# Allegro board zp-dic_pda_8ch_board_v001_166_20241018_1809.brd (continued)
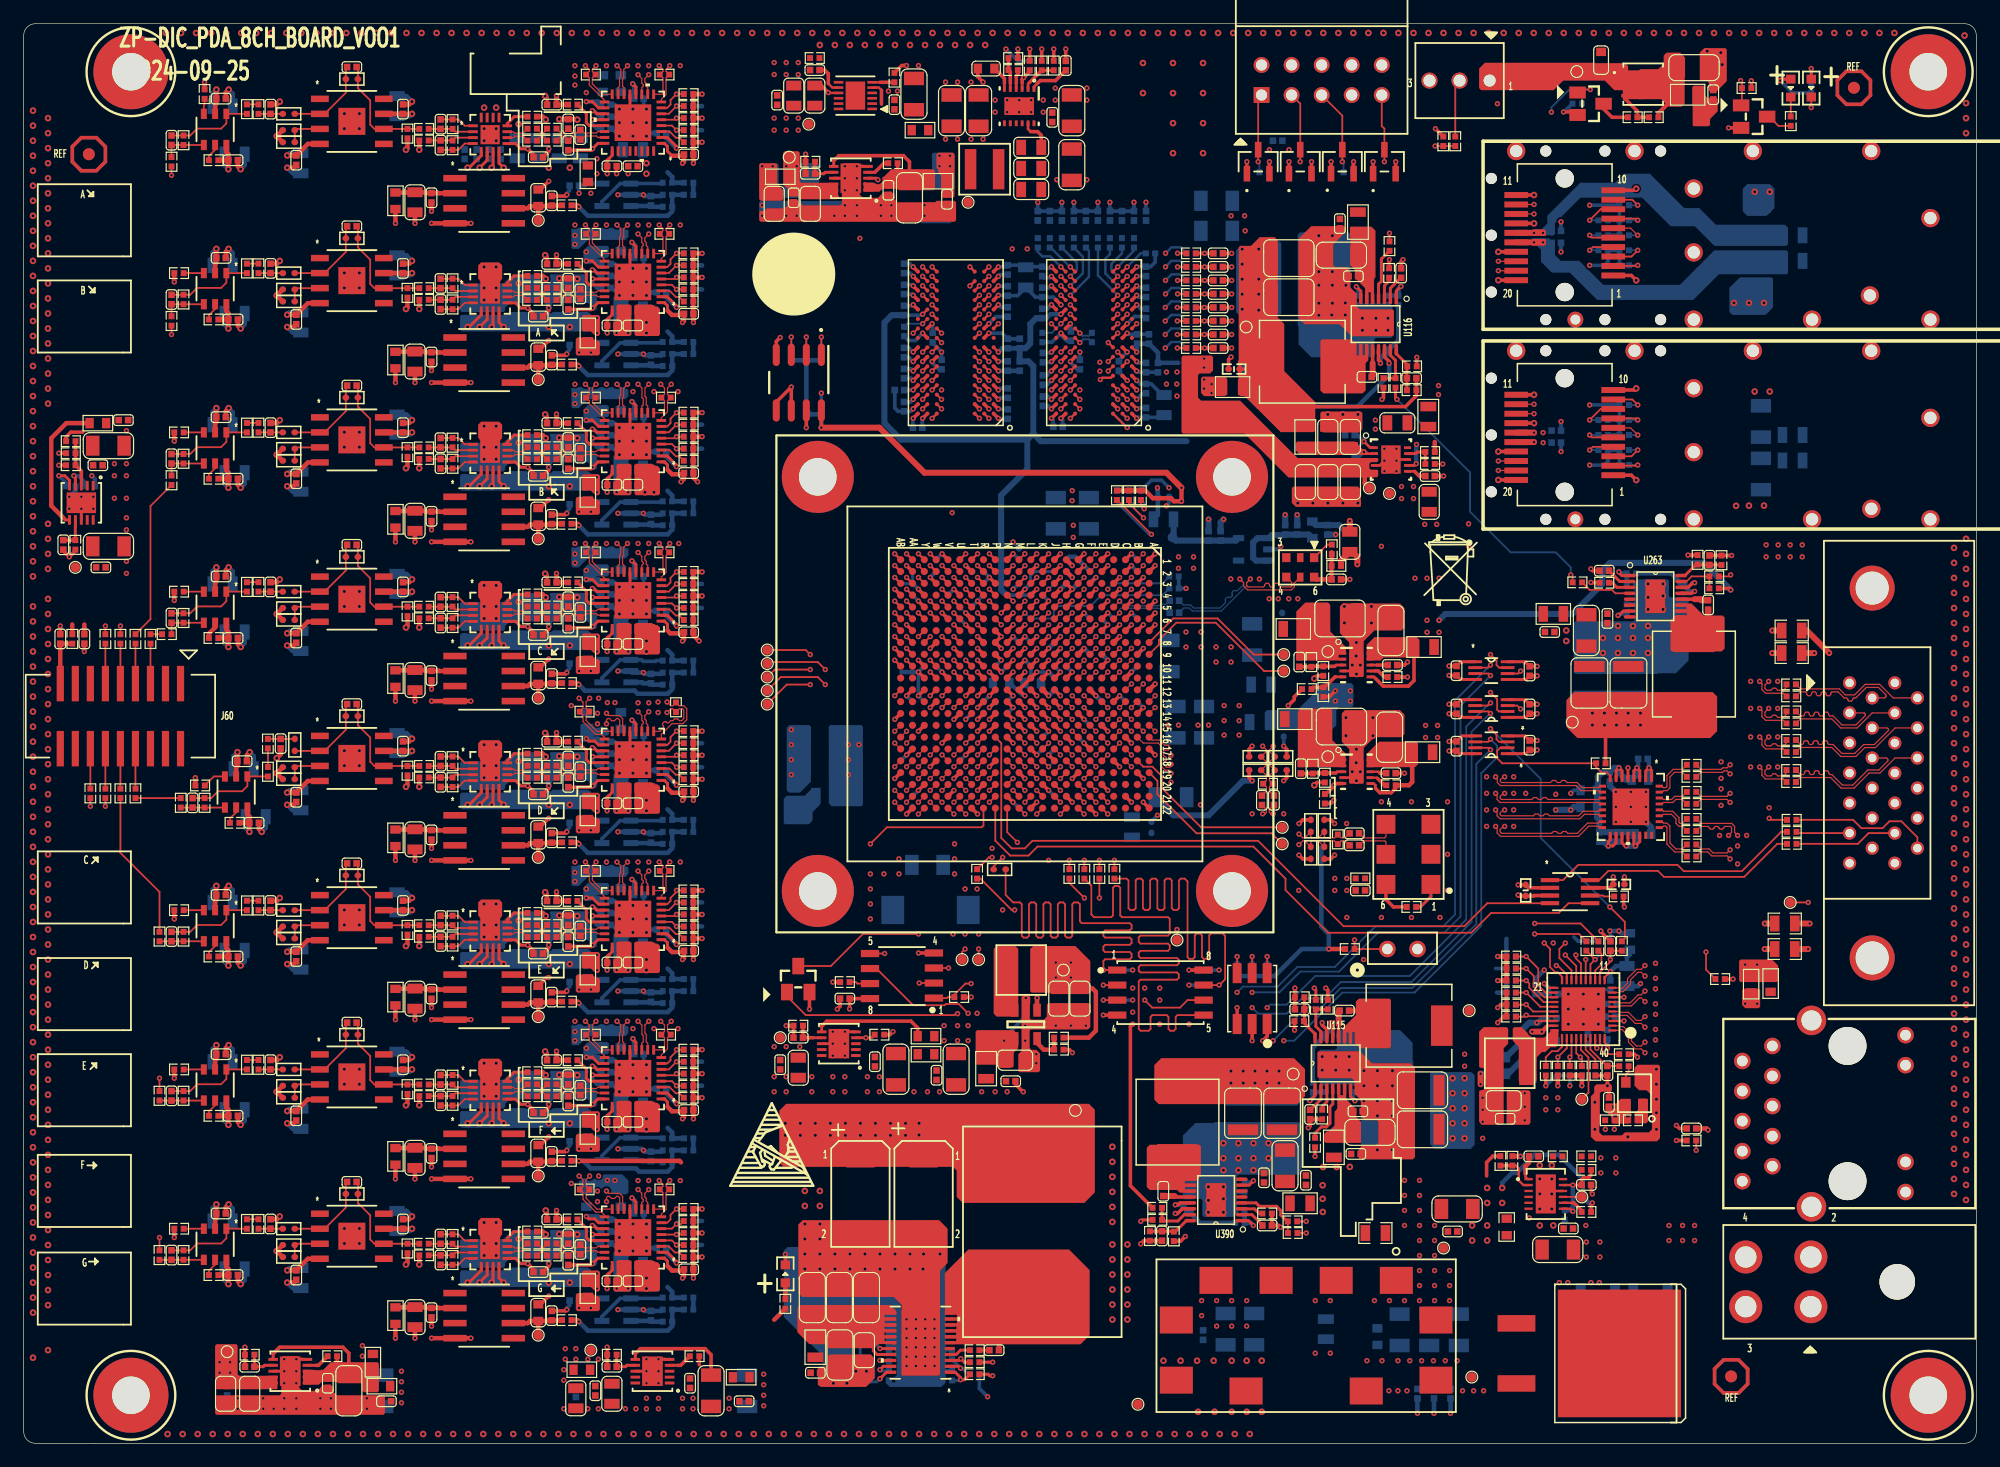
[diagram p0: board, top side]
## Routing (per net, layer and track width the routed paths; a pad name or vN(x,y) marks a point on that pad's centre or on a via; arc(x,y) is an arc through that point) (continued)
N23170831: length 1.9
  TOP w0.152: R2121.1 110.14,75.97 U270.1
N23196826: length 1.8
  TOP w0.152: U273.7 70.45,38.86 70.32,38.99 R2153.2
N23467611: length 2.3
  TOP w0.152: U366.3 54.58,70.5 55.1,69.98 55.4,69.98 R3014.2
N23467797: length 2
  BOTTOM w0.381: R3031.2 R3029.1 54.8,66.66 54.4,67.06
  vias: v2(52.62,67.82) v2(52.62,66.93)
N23473539: length 3.5
  TOP w0.254: R3026.1 47.54,72.03 47.54,71.25 47.8,71 U366.21
N23486167: length 5.1
  TOP w0.381: L299.2 32.37,65.34 32.39,65.37 C2974.1 33.87,65.37 33.94,65.3 C2971.2 35.08,65.3 35.1,65.28 U275.2
N23486224: length 5.4
  TOP w0.381: TP147.1 C2972.1 ; C2972.1 42.78,64.2 42.59,64.01 U275.6 ; C2972.1 44.18,64.2 44.22,64.24 C2973.2 45.11,64.24 45.13,64.26 R2184.1
N23486553: length 5.1
  TOP w0.381: L300.2 32.37,51.88 32.39,51.9 C2975.1 33.87,51.9 33.94,51.84 C2976.2 35.08,51.84 35.1,51.82 U276.2
N23486610: length 5.4
  TOP w0.381: U276.6 42.59,50.55 42.78,50.73 C2977.1 ; C2977.1 44.18,50.73 44.22,50.78 C2978.2 45.11,50.78 45.13,50.8 R2185.1 ; C2977.1 TP148.1
N23486896: length 5.1
  TOP w0.381: U277.2 35.1,78.74 35.08,78.76 C2980.2 33.94,78.76 33.87,78.83 C2979.1 32.39,78.83 32.37,78.81 L301.2
N23486953: length 5.4
  TOP w0.381: R2186.1 45.13,77.72 45.11,77.7 C2982.2 44.22,77.7 44.18,77.66 C2981.1 ; U277.6 42.59,77.47 42.78,77.66 C2981.1 ; C2981.1 TP149.1
N23487251: length 5.1
  TOP w0.381: L302.2 32.37,38.42 32.39,38.44 C2983.1 33.87,38.44 33.94,38.37 C2984.2 35.08,38.37 35.1,38.35 U278.2
N23487308: length 5.4
  TOP w0.381: R2187.1 45.13,37.34 45.11,37.32 C2986.2 44.22,37.32 44.18,37.27 C2985.1 ; C2985.1 42.78,37.27 42.59,37.08 U278.6 ; C2985.1 TP150.1
N23492813: length 5.1
  TOP w0.381: U280.2 35.1,92.2 35.08,92.22 C2990.2 33.94,92.22 33.87,92.29 C2989.1 32.39,92.29 32.37,92.27 L303.2
N23492870: length 5.4
  TOP w0.381: C2991.1 44.18,91.12 44.22,91.17 C2992.2 45.11,91.17 45.13,91.19 R2196.1 ; C2991.1 42.78,91.12 42.59,90.93 U280.6 ; C2991.1 TP151.1
N23492969: length 5.1
  TOP w0.381: L304.2 32.37,24.96 32.39,24.98 C2993.1 33.87,24.98 33.94,24.91 C2994.2 35.08,24.91 35.1,24.89 U281.2
N23493026: length 5.4
  TOP w0.381: U281.6 42.59,23.62 42.78,23.81 C2995.1 ; C2995.1 TP152.1 ; C2995.1 44.18,23.81 44.22,23.86 C2996.2 45.11,23.86 45.13,23.88 R2197.1
N23493125: length 5.1
  TOP w0.381: U282.2 35.1,105.66 35.08,105.68 C2998.2 33.94,105.68 33.87,105.75 C2997.1 32.39,105.75 32.37,105.73 L305.2
N23493182: length 5.4
  TOP w0.381: U282.6 42.59,104.39 42.78,104.58 C2999.1 ; C2999.1 44.18,104.58 44.22,104.63 C3000.2 45.11,104.63 45.13,104.65 R2198.1 ; C2999.1 TP153.1
N23493281: length 5.1
  TOP w0.381: L306.2 32.37,11.5 32.39,11.52 C3001.1 33.87,11.52 33.94,11.45 C3002.2 35.08,11.45 35.1,11.43 U283.2
N23493338: length 5.4
  TOP w0.381: C3003.1 44.18,10.35 44.22,10.39 C3004.2 45.11,10.39 45.13,10.41 R2199.1 ; C3003.1 TP154.1 ; C3003.1 42.78,10.35 42.59,10.16 U283.6
N23494365: length 2.8
  BOTTOM w0.381: R3028.1 53.11,64.14 C3285.2 52.34,64.24 52.26,64.33 U368.3
N23494373: length 6.2
  BOTTOM w0.305: R3029.2 53.47,66.17 53.4,66.1 52.35,66.1 52.22,66.23 U368.1 50.4,66.23 48.87,64.69 U368.4
N23499075: length 1
  BOTTOM w0.381: R3032.2 R3031.1
N23503581: length 7.8
  TOP w0.254: v1(48.05,58.8) 48.18,58.8 48.45,58.54 U369.19 ; 54.4,55.37 54.4,55.78 54.15,56.03 U369.1 ; v1(48.07,58.05) 48.08,58.03 U369.20
  TOP w0.381: 54.4,55.37 54.78,54.99 55.69,54.99 C3286.2 55.79,54.48 v1(55.67,54.36)
  BOTTOM w0.305: v1(48.07,58.05) 48.07,57.65 48.43,57.28 C3288.2 ; C3287.2 48.67,58.29 48.16,58.8 v1(48.05,58.8)
  vias: v1(48.43,54.74) v1(48.43,53.47)
N23503589: length 8.6
  TOP w0.254: 49.45,54.74 49.73,55.02 U369.25 ; v1(55.16,55.63) 55.16,55.75 54.38,56.54 U369.2 ; U369.18 48.58,59.03 48.26,59.36 47.75,59.36 v1(47.54,59.56)
  TOP w0.305: 49.45,54.74 49.3,54.59 C3289.2 v1(49.3,53.47)
  BOTTOM w0.381: v1(55.16,55.63) 54.3,56.5 C3290.2 ; C3291.2 48.54,59.56 v1(47.54,59.56)
N23503625: length 2.3
  TOP w0.152: U369.3 54.58,57.03 55.1,56.52 55.4,56.52 R3035.2
N23503626: length 2
  BOTTOM w0.381: 54.4,53.59 54.8,53.19 R3050.1 R3052.2
  vias: v2(52.62,54.36) v2(52.62,53.47)
N23503698: length 3.5
  TOP w0.254: U369.21 47.8,57.54 47.54,57.79 47.54,58.57 R3047.1
N23503724: length 2.8
  BOTTOM w0.381: U371.3 52.96,50.74 C3299.2 53.11,50.67 R3049.1
N23503727: length 6.2
  BOTTOM w0.305: U371.4 48.87,51.1 50.4,52.64 U371.1 53.94,52.64 R3050.2
N23503746: length 1
  BOTTOM w0.381: R3053.2 R3052.1
N23504848: length 7.9
  TOP w0.254: U372.1 54.15,82.96 54.4,82.7 54.4,82.3 ; v1(48.05,85.73) 48.18,85.73 48.45,85.46 U372.19 ; v1(48.07,84.97) 48.08,84.96 U372.20
  TOP w0.381: v1(55.55,81.28) 55.79,81.53 C3302.2 55.69,81.92 54.78,81.92 54.4,82.3
  BOTTOM w0.305: C3301.2 48.67,85.22 48.16,85.73 v1(48.05,85.73) ; v1(48.07,84.97) 48.07,84.57 48.43,84.2 C3300.2
  vias: v1(48.43,81.66) v1(48.43,80.39)
N23504856: length 8.6
  TOP w0.254: v1(55.16,82.55) 55.16,82.68 54.38,83.46 U372.2 ; 49.45,81.66 49.73,81.94 U372.25 ; U372.18 48.58,85.96 48.05,86.49 v1(47.54,86.49)
  TOP w0.305: 49.45,81.66 49.3,81.51 C3305.2 v1(49.3,80.39)
  BOTTOM w0.381: v1(47.54,86.49) 48.54,86.49 C3304.2 ; v1(55.16,82.55) 54.3,83.42 C3303.2
  vias: v1(47.54,87.25)
N23504892: length 2.3
  TOP w0.152: U372.3 54.58,83.96 55.1,83.44 55.4,83.44 R3056.2
N23504893: length 2
  BOTTOM w0.381: 54.4,80.52 54.8,80.12 R3071.1 R3073.2
  vias: v2(52.5,80.39) v2(53.26,80.39)
N23504965: length 3.5
  TOP w0.254: R3068.1 47.54,85.49 47.54,84.71 47.8,84.46 U372.21
N23504991: length 2.8
  BOTTOM w0.381: R3070.1 53.11,77.6 C3313.2 52.96,77.66 U374.3
N23504994: length 6.2
  BOTTOM w0.305: R3071.2 53.94,79.56 U374.1 50.4,79.56 48.87,78.03 U374.4
N23505013: length 1
  BOTTOM w0.381: R3074.2 R3073.1
N23506117: length 7.8
  TOP w0.254: U384.1 54.15,109.88 54.4,109.63 54.4,109.22 54.78,108.84 ; U384.20 48.08,111.88 v1(48.07,111.9) ; v1(48.05,112.65) 48.18,112.65 48.45,112.38 U384.19
  TOP w0.381: v1(55.67,108.2) 55.79,108.32 C3356.2 55.69,108.84 54.78,108.84
  BOTTOM w0.305: v1(48.07,111.9) 48.07,111.49 48.43,111.13 C3357.2 ; C3358.2 48.67,112.14 48.16,112.65 v1(48.05,112.65)
  vias: v1(48.43,108.59) v1(48.43,107.32)
N23506125: length 8.3
  TOP w0.254: 49.45,108.59 49.73,108.87 U384.25 ; v1(47.54,113.41) 48.05,113.41 48.58,112.88 U384.18 ; U384.2 54.38,110.38 55.16,109.6 v1(55.16,109.47)
  TOP w0.305: 49.45,108.59 49.3,108.44 C3360.2 v1(49.3,107.32)
  BOTTOM w0.381: v1(55.16,109.47) 54.3,110.34 C3361.2 ; 48,113.41 48.54,113.41 C3359.2 ; v1(47.54,113.41) 47.76,113.41
  vias: v1(47.54,114.17)
N23506161: length 2.3
  TOP w0.152: U384.3 54.58,110.88 55.1,110.36 55.4,110.36 R3140.2
N23506162: length 2
  BOTTOM w0.381: R3157.2 R3155.1 54.8,107.04 54.4,107.44
  vias: v2(52.62,108.2) v2(52.62,107.32)
N23506234: length 3.5
  TOP w0.254: U384.21 47.8,111.38 47.54,111.64 47.54,112.41 R3152.1
N23506260: length 2.8
  BOTTOM w0.381: U386.3 52.96,104.59 C3369.2 53.11,104.52 R3154.1
N23506263: length 6.2
  BOTTOM w0.305: U386.4 48.87,104.95 50.4,106.49 U386.1 53.94,106.49 R3155.2
N23506282: length 1
  BOTTOM w0.381: R3158.2 R3157.1
N23507395: length 7.8
  TOP w0.254: U375.1 54.15,42.57 54.4,42.32 54.4,41.91 ; U375.20 48.08,44.57 v1(48.07,44.59) ; U375.19 48.45,45.07 48.18,45.34 v1(48.05,45.34)
  TOP w0.381: v1(55.67,40.89) 55.79,41.01 C3315.2 55.69,41.53 54.78,41.53 54.4,41.91
  BOTTOM w0.305: C3314.2 48.67,44.83 48.16,45.34 v1(48.05,45.34) ; C3316.2 48.43,43.82 48.07,44.18 v1(48.07,44.59)
  vias: v1(48.43,41.28) v1(48.43,40.01)
N23507403: length 8.6
  TOP w0.254: U375.18 48.58,45.57 48.05,46.1 v1(47.54,46.1) ; U375.25 49.73,41.56 49.45,41.28 ; v1(55.16,42.16) 55.16,42.29 54.38,43.07 U375.2
  TOP w0.305: 49.45,41.28 49.3,41.13 C3317.2 v1(49.3,40.01)
  BOTTOM w0.381: v1(55.16,42.16) 54.3,43.03 C3319.2 ; v1(47.54,46.1) 48.54,46.1 C3318.2
  vias: v1(47.54,46.86)
N23507439: length 2.3
  TOP w0.152: U375.3 54.58,43.57 55.1,43.05 55.4,43.05 R3077.2
N23507440: length 2
  BOTTOM w0.381: R3094.2 R3092.1 54.8,39.73 54.4,40.13
  vias: v2(52.62,40.89) v2(52.62,40.01)
N23507512: length 3.5
  TOP w0.254: R3089.1 47.54,45.1 47.54,44.33 47.8,44.07 U375.21
N23507538: length 2.8
  BOTTOM w0.381: U377.3 52.96,37.28 C3327.2 53.11,37.21 R3091.1
N23507541: length 6.2
  BOTTOM w0.305: R3092.2 53.94,39.18 U377.1 50.4,39.18 48.87,37.64 U377.4
N23507560: length 1
  BOTTOM w0.381: R3095.2 R3094.1
N23508661: length 7.8
  TOP w0.254: U378.1 54.15,96.42 54.4,96.17 54.4,95.76 ; U378.19 48.45,98.92 48.18,99.19 v1(48.05,99.19) ; U378.20 48.08,98.42 v1(48.07,98.43)
  TOP w0.381: 54.4,95.76 54.78,95.38 55.42,95.38 55.52,95.48 C3329.2 55.79,94.86 v1(55.67,94.74)
  BOTTOM w0.305: v1(48.05,99.19) 48.16,99.19 48.67,98.68 C3328.2 ; C3330.2 48.43,97.66 48.07,98.03 v1(48.07,98.43)
  vias: v1(48.43,95.12) v1(48.43,93.85)
N23508669: length 8.6
  TOP w0.254: v1(55.16,96.01) 55.16,96.14 54.38,96.92 U378.2 ; U378.25 49.73,95.4 49.45,95.12 ; U378.18 48.58,99.42 48.05,99.95 v1(47.54,99.95)
  TOP w0.305: 49.45,95.12 49.3,94.98 C3332.2 v1(49.3,93.85)
  BOTTOM w0.381: C3331.2 54.3,96.88 v1(55.16,96.01) ; C3333.2 48.54,99.95 v1(47.54,99.95)
  vias: v1(47.54,100.71)
N23508705: length 2.3
  TOP w0.152: R3098.2 55.4,96.9 55.1,96.9 54.58,97.42 U378.3
N23508706: length 2
  BOTTOM w0.381: R3115.2 R3113.1 54.8,93.58 54.4,93.98
  vias: v2(52.62,94.74) v2(52.62,93.85)
N23508778: length 3.5
  TOP w0.254: R3110.1 47.54,98.95 47.54,98.18 47.8,97.92 U378.21
N23508804: length 2.8
  BOTTOM w0.381: U380.3 52.96,91.13 C3341.2 53.11,91.06 R3112.1
N23508807: length 6.2
  BOTTOM w0.305: U380.4 48.87,91.49 50.4,93.02 U380.1 53.94,93.02 R3113.2
N23508826: length 1
  BOTTOM w0.381: R3116.2 R3115.1
N23509928: length 7.8
  TOP w0.254: v1(48.07,31.12) 48.08,31.11 U381.20 ; U381.19 48.45,31.61 48.18,31.88 v1(48.05,31.88) ; U381.1 54.15,29.11 54.4,28.86 54.4,28.45
  TOP w0.381: 54.4,28.45 54.78,28.07 55.69,28.07 C3342.2 55.79,27.55 v1(55.67,27.43)
  BOTTOM w0.305: C3344.2 48.43,30.35 48.07,30.72 v1(48.07,31.12) ; C3343.2 48.67,31.37 48.16,31.88 v1(48.05,31.88)
  vias: v1(48.43,27.81) v1(48.43,26.54)
N23509936: length 8.6
  TOP w0.254: U381.25 49.73,28.09 49.45,27.81 ; U381.2 54.38,29.61 55.16,28.83 v1(55.16,28.7) ; U381.18 48.58,32.11 48.05,32.64 v1(47.54,32.64)
  TOP w0.305: 49.45,27.81 49.3,27.67 C3347.2 v1(49.3,26.54)
  BOTTOM w0.381: v1(55.16,28.7) 54.3,29.57 C3346.2 ; v1(47.54,32.64) 48.54,32.64 C3345.2
  vias: v1(47.54,33.4)
N23509972: length 2.3
  TOP w0.152: U381.3 54.58,30.11 55.1,29.59 55.4,29.59 R3119.2
N23509973: length 2
  BOTTOM w0.381: 54.4,26.67 54.8,26.27 R3134.1 R3136.2
  vias: v2(52.62,27.43) v2(52.62,26.54)
N23510045: length 3.5
  TOP w0.254: U381.21 47.8,30.61 47.54,30.87 47.54,31.64 R3131.1
N23510071: length 2.8
  BOTTOM w0.381: R3133.1 53.89,23.86 C3355.2 52.34,23.86 52.26,23.94 U383.3
N23510074: length 6.2
  BOTTOM w0.305: U383.4 48.87,24.31 50.4,25.84 U383.1 53.94,25.84 R3134.2
N23510093: length 1
  BOTTOM w0.381: R3137.2 R3136.1
N23511196: length 7.8
  TOP w0.254: 54.4,14.99 54.4,15.39 54.15,15.65 U387.1 ; v1(48.07,17.66) 48.08,17.65 U387.20 ; U387.19 48.45,18.15 48.18,18.42 v1(48.05,18.42)
  TOP w0.381: 54.4,14.99 54.78,14.61 55.69,14.61 C3372.2 55.79,14.09 v1(55.67,13.97)
  BOTTOM w0.305: C3370.2 48.43,16.89 48.07,17.26 v1(48.07,17.66) ; C3371.2 48.67,17.91 48.16,18.42 v1(48.05,18.42)
  vias: v1(48.43,14.35) v1(48.43,13.08)
N23511204: length 8.6
  TOP w0.254: U387.2 54.38,16.15 55.16,15.37 v1(55.16,15.24) ; v1(47.54,19.18) 47.75,18.97 48.26,18.97 48.58,18.65 U387.18 ; U387.25 49.73,14.63 49.45,14.35
  TOP w0.305: 49.45,14.35 49.3,14.2 C3373.2 v1(49.3,13.08)
  BOTTOM w0.381: v1(47.54,19.18) 48.54,19.18 C3374.2 ; C3375.2 54.3,16.11 v1(55.16,15.24)
N23511240: length 2.3
  TOP w0.152: R3161.2 55.4,16.13 55.04,16.13 54.52,16.65 U387.3
N23511241: length 2
  BOTTOM w0.381: 54.4,13.21 54.8,12.81 R3176.1 R3178.2
  vias: v2(52.62,13.97) v2(52.62,13.08)
N23511313: length 3.5
  TOP w0.254: U387.21 47.8,17.15 47.54,17.4 47.54,18.18 R3173.1
N23511339: length 2.8
  BOTTOM w0.381: U389.3 52.96,10.35 C3383.2 53.11,10.29 R3175.1
N23511342: length 6.2
  BOTTOM w0.305: R3176.2 53.94,12.25 U389.1 50.4,12.25 48.87,10.72 U389.4
N23511361: length 1
  BOTTOM w0.381: R3179.2 R3178.1
N23531871: length 3.7
  TOP w0.102: U271.31 138.46,55.05 138.58,55.17 138.86,55.17 139.11,55.42 139.11,56.34 139.49,56.72 140.16,56.72 R2214.1
N23531940: length 2.6
  TOP w0.102: R2215.1 140.16,54.69 139.51,54.69 139.25,54.42 138.56,54.42 138.44,54.55 U271.30
N23531952: length 2.6
  TOP w0.102: R2216.1 140.16,54.43 139.62,54.43 139.36,54.17 138.56,54.17 138.44,54.05 U271.29
N23531995: length 3.2
  TOP w0.102: R2217.1 140.16,52.4 139.98,52.4 139.87,52.5 139.87,52.89 139.34,53.42 138.56,53.42 138.44,53.55 U271.28
N23532007: length 3.2
  TOP w0.102: U271.27 138.44,53.05 138.56,53.17 139.23,53.17 139.62,52.78 139.62,52.4 139.87,52.15 140.16,52.15 R2218.1
N23532050: length 4.3
  TOP w0.102: U271.26 138.46,52.55 138.58,52.42 138.86,52.42 139.11,52.17 139.11,50.75 139.62,50.24 140.16,50.24 R2219.1
N23532062: length 4.3
  TOP w0.102: R2220.1 140.16,49.99 139.51,49.99 138.86,50.64 138.86,52.07 138.76,52.17 138.58,52.17 138.45,52.05 U271.25
N23538900: length 15.2
  TOP w0.152: U1.B18 94.6,57.19 95.38,57.19 96.19,56.39 96.19,55.37 99.49,52.07 TP102.1
N23538909: length 14.4
  TOP w0.152: TP103.1 105.46,51.56 99.11,51.56 95.8,54.86 95.8,55.99 U1.A19
N23539881: length 23.9
  TOP w0.152: R834.2 v1(141.33,24.77)
  ART08 w0.102: v1(141.33,24.77) 141.33,23.56 143.81,21.08 148.38,21.08 152.32,25.02 155.24,25.02 J6.11
N23546000: length 1.9
  TOP w0.254: U263.7 135.17,70.35 134.8,69.98 v1(134.72,69.98)
  BOTTOM w0.305: R2253.2 134.84,70.11 v1(134.72,69.98)
N23547065: length 8.1
  BOTTOM w0.508: L288.2 108.59,76.82 C2487.2 C2486.1 106.55,76.77 105.46,76.77 U272.1 104.25,76.51 103.89,76.16 103.89,74.85 104.12,74.62 U272.3
N23561603: length 9.7
  TOP w0.254: U133.6 51.69,7.57
  TOP w0.305: C1339.1 58.09,7.49 57.58,8 52.12,8 51.69,7.57 ; 57.09,6.65 R2083.2
N23561705: length 2
  TOP w0.254: 55.28,6.6 U133.4
  TOP w0.305: 55.28,6.6 55.52,6.6 R2083.1
N23561717: length 2.6
  TOP w0.254: U133.7 50.97,6.6 50.85,6.48 C1340.1 R2139.1
N23565715: length 3.5
  BOTTOM w0.305: R1138.1 84.78,36.22 82.85,34.29 v1(82.85,34.04)
N23565751: length 2
  TOP w0.381: U124.1 v1(85.63,37.65)
  BOTTOM w0.305: v1(85.63,37.65) 85.58,37.59 R1138.2
N23565779: length 3.1
  TOP w0.381: R1129.2 R1130.1 86.2,33.27 85.63,33.84 U124.5
N23580868: length 21.3
  TOP w0.152: v1(80.69,41.78) TP104.1 ; U1.R16 v1(80.6,59.19)
  ART08 w0.102: v1(80.6,59.19) 81,58.8 81.94,58.8 82.31,58.43 82.31,56.3 82.75,55.85 82.75,52.02 81.28,50.55 81.28,42.88 80.69,42.29 v1(80.69,41.78)
N23580877: length 22.4
  TOP w0.152: TP105.1 79.29,41.53 v1(79.55,41.78) ; U1.T16 v1(79.6,59.19)
  ART08 w0.102: v1(79.55,41.78) 80.06,42.29 80.06,47.24 80.87,48.06 80.87,50.6 82.42,52.15 82.42,55.78 82.01,56.19 82.01,58.37 81.79,58.59 80.21,58.59 v1(79.6,59.19)
N23582125: length 2.1
  TOP w0.152: R2598.1 133.52,46.23 133.45,46.31 U154.6
N23591059: length 3.1
  TOP w0.229: U236.2 84.87,114.9 84.99,115.03
  TOP w0.254: R3200.2 R1884.2
  TOP w0.305: 84.99,115.03 R1884.2
N23610435: length 1.5
  TOP w0.381: R2674.2 15.65,68.43 16.18,68.96 U342.5
N23610458: length 1.7
  TOP w0.152: R2676.2 U342.3
N23610499: length 3.7
  TOP w0.152: U342.4 R2692.1 C3093.1 R3207.2
N23610531: length 7.6
  TOP w0.152: C3093.2 R2692.2 14.07,70.16 14.65,70.74 16.68,70.74 17.13,71.18 U342.1 L357.1
N23610539: length 2.1
  TOP w0.152: R2679.2 C3090.1 R3218.1
N23613049: length 9.6
  TOP w0.152: C3088.2 28.24,75.84 R3216.2 28.24,74.17 29.28,73.13 29.28,71.08 29.64,70.72 U343.6 R2688.2 R3256.1
N23614353: length 7.3
  TOP w0.152: R3218.2 U343.2 25.43,71.99 27.22,73.78 R3216.1 27.22,75.84 C3088.1
N23616207: length 3.2
  TOP w0.152: U343.3 23.01,70.72 R3217.2 R3215.1
N23618683: length 2.1
  TOP w0.254: R2677.2 41.45,71.76 40.86,71.17 U344.12
N23618728: length 3.8
  TOP w0.152: U344.2 36.48,70.48 R3258.1 C3515.1 R3256.2
N23618730: length 3
  TOP w0.152: C3515.2 R3258.2 36.73,71.52 37.27,70.98 U344.1
N23618750: length 1.9
  TOP w0.102: R2681.1 42.19,70.36 41.5,70.36 41.38,70.48 U344.11
N23618767: length 3.8
  TOP w0.152: R3257.2 C3514.1 R3259.1 36.48,69.98 U344.3
N23618773: length 1.9
  TOP w0.102: R2690.1 42.19,70.1 41.5,70.1 41.38,69.98 U344.10
N23618807: length 3
  TOP w0.152: C3514.2 R3259.2 36.73,68.94 37.27,69.48 U344.4
N23624222: length 1.2
  TOP w0.102: R2684.1 44.22,70.69 43.89,70.36 43.74,70.36 43.37,70.73 R2681.2
N23624272: length 1.2
  TOP w0.102: R2690.2 43.37,69.74 43.74,70.1 43.84,70.1 R2691.1
N23628828: length 1
  TOP w0.152: R2679.1 L357.2
N23641427: length 1.5
  TOP w0.152: R2696.2 17.43,52.81 17.95,53.34 U346.5
N23641429: length 2
  TOP w0.152: U346.3 16.07,56.37 R2697.2
N23641433: length 3.7
  TOP w0.152: R3208.2 C3116.1 R2713.1 U346.4
N23641439: length 7.6
  TOP w0.152: L358.1 U346.1 18.9,55.56 18.46,55.12 16.43,55.12 15.85,54.54 R2713.2 C3116.2
N23641442: length 2.3
  TOP w0.152: R3220.1 C3516.1 R2700.2
N23641477: length 9.6
  TOP w0.152: R3261.1 R2709.2 U347.6 29.64,57.26 29.28,57.62 29.28,59.67 28.24,60.71 R3219.2 28.24,62.38 C3111.2
N23641479: length 7.3
  TOP w0.152: C3111.1 27.22,62.38 R3219.1 27.22,60.32 25.43,58.53 U347.2 R3220.2
N23641492: length 3.2
  TOP w0.152: R3221.1 R3222.2 23.01,57.26 U347.3
N23641506: length 2.1
  TOP w0.254: R2698.2 41.45,58.29 40.86,57.71 U345.12
N23641518: length 1.9
  TOP w0.102: U345.11 41.38,57.02 41.5,56.9 42.19,56.9 R2704.1
N23641522: length 1.9
  TOP w0.102: U345.10 41.38,56.52 41.5,56.64 42.19,56.64 R2711.1
N23641559: length 1.2
  TOP w0.102: R2705.1 44.22,57.23 43.89,56.9 43.74,56.9 43.37,57.26 R2704.2
N23641562: length 1.2
  TOP w0.102: R2712.1 43.84,56.64 43.74,56.64 43.37,56.27 R2711.2
N23641588: length 1.6
  TOP w0.152: R2700.1 20.63,58.15 20.64,58.15 L358.2
N23642763: length 1.5
  TOP w0.152: U350.5 16.18,82.42 15.65,81.9 R2716.2
N23642765: length 1.7
  TOP w0.152: R2718.2 U350.3
N23642769: length 3.7
  TOP w0.152: U350.4 R2734.1 C3139.1 R3209.2
N23642775: length 7.6
  TOP w0.152: C3139.2 R2734.2 14.07,83.62 14.65,84.2 16.68,84.2 17.13,84.64 U350.1 L359.1
N23642778: length 2.1
  TOP w0.152: R2721.2 C3517.1 R3224.1
N23642813: length 9.6
  TOP w0.152: C3134.2 28.24,89.3 R3223.2 28.24,87.63 29.28,86.59 29.28,84.54 29.64,84.18 U348.6 R2730.2 R3265.1
N23642815: length 7.3
  TOP w0.152: R3224.2 U348.2 25.43,85.45 27.22,87.24 R3223.1 27.22,89.3 C3134.1
N23642828: length 3.2
  TOP w0.152: R3225.1 R3226.2 23.01,84.18 U348.3
N23642842: length 2.1
  TOP w0.254: R2719.2 41.45,85.22 40.86,84.63 U349.12
N23642854: length 1.9
  TOP w0.102: R2725.1 42.19,83.82 41.5,83.82 41.38,83.94 U349.11
N23642858: length 1.9
  TOP w0.102: U349.10 41.38,83.44 41.5,83.57 42.19,83.57 R2732.1
N23642895: length 1.2
  TOP w0.102: R2726.1 44.22,84.16 43.89,83.82 43.74,83.82 43.37,84.19 R2725.2
N23642898: length 1.2
  TOP w0.102: R2732.2 43.37,83.2 43.74,83.57 43.84,83.57 R2733.1
N23642924: length 1
  TOP w0.152: R2721.1 L359.2
N23644099: length 1.5
  TOP w0.152: R2737.2 15.65,41.51 16.18,42.04 U353.5
N23644101: length 1.7
  TOP w0.152: R2739.2 U353.3
N23644105: length 3.7
  TOP w0.152: U353.4 R2755.1 C3162.1 R3210.2
N23644111: length 7.6
  TOP w0.152: C3162.2 R2755.2 14.07,43.24 14.65,43.82 16.68,43.82 17.13,44.26 U353.1 L360.1
N23644149: length 9.6
  TOP w0.152: R3269.1 R2751.2 U351.6 29.64,43.8 29.28,44.15 29.28,46.2 28.24,47.24 R3227.2 28.24,48.91 C3157.2
N23644151: length 7.3
  TOP w0.152: R3228.2 U351.2 25.43,45.07 27.22,46.86 R3227.1 27.22,48.91 C3157.1
N23644157: length 2.1
  TOP w0.152: R2741.2 C3518.1 R3228.1
N23644164: length 3.2
  TOP w0.152: U351.3 23.01,43.8 R3230.2 R3229.1
N23644178: length 2.1
  TOP w0.254: R2740.2 41.45,44.83 40.86,44.25 U352.12
N23644190: length 1.9
  TOP w0.102: R2746.1 42.19,43.43 41.5,43.43 41.38,43.56 U352.11
N23644194: length 1.9
  TOP w0.102: R2753.1 42.19,43.18 41.5,43.18 41.38,43.06 U352.10
N23644231: length 1.2
  TOP w0.102: R2746.2 43.37,43.8 43.74,43.43 43.89,43.43 44.22,43.77 R2747.1
N23644234: length 1.2
  TOP w0.102: R2753.2 43.37,42.81 43.74,43.18 43.84,43.18 R2754.1
N23644260: length 1
  TOP w0.152: R2741.1 L360.2
N23646771: length 1.5
  TOP w0.152: R2758.2 15.65,95.36 16.18,95.88 U354.5
N23646773: length 1.7
  TOP w0.152: R2760.2 U354.3
N23646777: length 3.7
  TOP w0.152: U354.4 R2776.1 C3185.1 R3211.2
N23646783: length 7.6
  TOP w0.152: C3185.2 R2776.2 14.07,97.09 14.65,97.66 16.68,97.66 17.13,98.11 U354.1 L361.1
N23646786: length 2.1
  TOP w0.152: R2764.2 C3519.1 R3232.1
N23646821: length 9.6
  TOP w0.152: R3273.1 R2772.2 U356.6 29.64,97.64 29.28,98 29.28,100.05 28.24,101.09 R3231.2 28.24,102.76 C3180.2
N23646823: length 7.3
  TOP w0.152: C3180.1 27.22,102.76 R3231.1 27.22,100.71 25.43,98.91 U356.2 R3232.2
N23646836: length 3.2
  TOP w0.152: R3233.1 R3234.2 23.01,97.64 U356.3
N23646850: length 2.1
  TOP w0.254: R2761.2 41.45,98.68 40.86,98.1 U355.12
N23646862: length 1.9
  TOP w0.102: U355.11 41.38,97.4 41.5,97.28 42.19,97.28 R2766.1
N23646866: length 1.9
  TOP w0.102: U355.10 41.38,96.91 41.5,97.03 42.19,97.03 R2774.1
N23646903: length 1.2
  TOP w0.102: R2766.2 43.37,97.65 43.74,97.28 43.89,97.28 44.22,97.62 R2768.1
N23646906: length 1.2
  TOP w0.102: R2775.1 43.84,97.03 43.74,97.03 43.37,96.66 R2774.2
N23646932: length 1
  TOP w0.152: R2764.1 L361.2
N23648108: length 1.5
  TOP w0.152: R2779.2 15.65,28.05 16.18,28.57 U357.5
N23648110: length 1.7
  TOP w0.152: R2781.2 U357.3
N23648114: length 3.7
  TOP w0.152: R3212.2 C3208.1 R2797.1 U357.4
N23648120: length 7.6
  TOP w0.152: L362.1 U357.1 17.13,30.8 16.68,30.35 14.65,30.35 14.07,29.78 R2797.2 C3208.2
N23648123: length 2.1
  TOP w0.152: R3236.1 C3520.1 R2783.2
N23648158: length 9.6
  TOP w0.152: R3277.1 R2793.2 U358.6 29.64,30.33 29.28,30.69 29.28,32.74 28.24,33.78 R3235.2 28.24,35.45 C3203.2
N23648160: length 7.3
  TOP w0.152: R3236.2 U358.2 25.43,31.6 27.22,33.4 R3235.1 27.22,35.45 C3203.1
N23648173: length 3.2
  TOP w0.152: U358.3 23.01,30.33 R3238.2 R3237.1
N23648187: length 2.1
  TOP w0.254: R2782.2 41.45,31.37 40.86,30.79 U359.12
N23648199: length 1.9
  TOP w0.102: R2788.1 42.19,29.97 41.5,29.97 41.38,30.09 U359.11
N23648203: length 1.9
  TOP w0.102: R2795.1 42.19,29.72 41.5,29.72 41.38,29.6 U359.10
N23648240: length 1.2
  TOP w0.102: R2788.2 43.37,30.34 43.74,29.97 43.89,29.97 44.22,30.31 R2789.1
N23648243: length 1.2
  TOP w0.102: R2796.1 43.84,29.72 43.74,29.72 43.37,29.35 R2795.2
N23648269: length 1
  TOP w0.152: R2783.1 L362.2
N23649444: length 1.5
  TOP w0.152: U361.5 16.18,109.35 15.65,108.82 R2800.2
N23649446: length 1.3
  TOP w0.152: R2802.2 15.29,113.19 15.23,113.13 U361.3
N23649450: length 3.7
  TOP w0.152: R3213.2 C3231.1 R2818.1 U361.4
N23649456: length 7.6
  TOP w0.152: C3231.2 R2818.2 14.07,110.55 14.65,111.13 16.68,111.13 17.13,111.57 U361.1 L363.1
N23649459: length 2.1
  TOP w0.152: R2805.2 C3521.1 R3240.1
N23649494: length 9.6
  TOP w0.152: R3281.1 R2814.2 U362.6 29.64,111.11 29.28,111.46 29.28,113.51 28.24,114.55 R3239.2 28.24,116.22 C3226.2
N23649496: length 7.3
  TOP w0.152: R3240.2 U362.2 25.43,112.38 27.22,114.17 R3239.1 27.22,116.22 C3226.1
N23649509: length 3.2
  TOP w0.152: U362.3 23.01,111.11 R3242.2 R3241.1
N23649523: length 2.1
  TOP w0.254: R2803.2 41.45,112.14 40.86,111.56 U360.12
N23649535: length 1.9
  TOP w0.102: U360.11 41.38,110.87 41.5,110.74 42.19,110.74 R2808.1
N23649539: length 1.9
  TOP w0.102: U360.10 41.38,110.37 41.5,110.49 42.19,110.49 R2816.1
N23649576: length 1.2
  TOP w0.102: R2808.2 43.37,111.11 43.74,110.74 43.89,110.74 44.22,111.08 R2810.1
N23649579: length 1.2
  TOP w0.102: R2816.2 43.37,110.12 43.74,110.49 43.84,110.49 R2817.1
N23649605: length 1
  TOP w0.152: R2805.1 L363.2
N23650781: length 1.5
  TOP w0.152: R2821.2 15.65,14.59 16.18,15.11 U363.5
N23650783: length 1.7
  TOP w0.152: R2823.2 U363.3
N23650787: length 3.7
  TOP w0.152: R3214.2 C3254.1 R2839.1 U363.4
N23650793: length 7.6
  TOP w0.152: L364.1 U363.1 17.13,17.33 16.68,16.89 14.65,16.89 14.07,16.31 R2839.2 C3254.2
N23650796: length 2.1
  TOP w0.152: R3244.1 C3522.1 R2827.2
N23650831: length 9.6
  TOP w0.152: R3285.1 R2835.2 U365.6 29.64,16.87 29.28,17.23 29.28,19.28 28.24,20.32 R3243.2 28.24,21.99 C3249.2
N23650833: length 7.3
  TOP w0.152: C3249.1 27.22,21.99 R3243.1 27.22,19.93 25.43,18.14 U365.2 R3244.2
N23650846: length 3.2
  TOP w0.152: U365.3 23.01,16.87 R3246.2 R3245.1
N23650860: length 2.1
  TOP w0.254: U364.12 40.86,17.32 41.45,17.91 R2824.2
N23650872: length 1.9
  TOP w0.102: R2830.1 42.19,16.51 41.5,16.51 41.38,16.63 U364.11
N23650876: length 1.9
  TOP w0.102: R2837.1 42.19,16.26 41.5,16.26 41.38,16.13 U364.10
N23650913: length 1.2
  TOP w0.102: R2830.2 43.37,16.88 43.74,16.51 43.89,16.51 44.22,16.85 R2831.1
N23650916: length 1.2
  TOP w0.102: R2838.1 43.84,16.26 43.74,16.26 43.37,15.89 R2837.2
N23650942: length 1
  TOP w0.152: R2827.1 L364.2
N23654061: length 4.4
  TOP w0.381: R2659.2 C3068.1 J60.9
N23657743: length 4
  TOP w0.254: 4.87,81.53 U341.3
  TOP w0.305: R2670.2 R2666.2 R2671.1 4.87,82.19 4.87,81.53
N23657801: length 14.5
  TOP w0.254: U341.6 3.53,78.05 3.37,78.21
  TOP w0.305: 5,85.47 3.98,85.47 3.58,85.07 R2670.1
  TOP w0.381: 3.37,78.21 2.33,79.25 2.33,84.96 3.6,86.23 L356.2
  BOTTOM w0.305: v1(5.76,81.79) 6.04,81.51 R2668.1
